# KiCad board msf-owl-clock.kicad_pcb (continued)
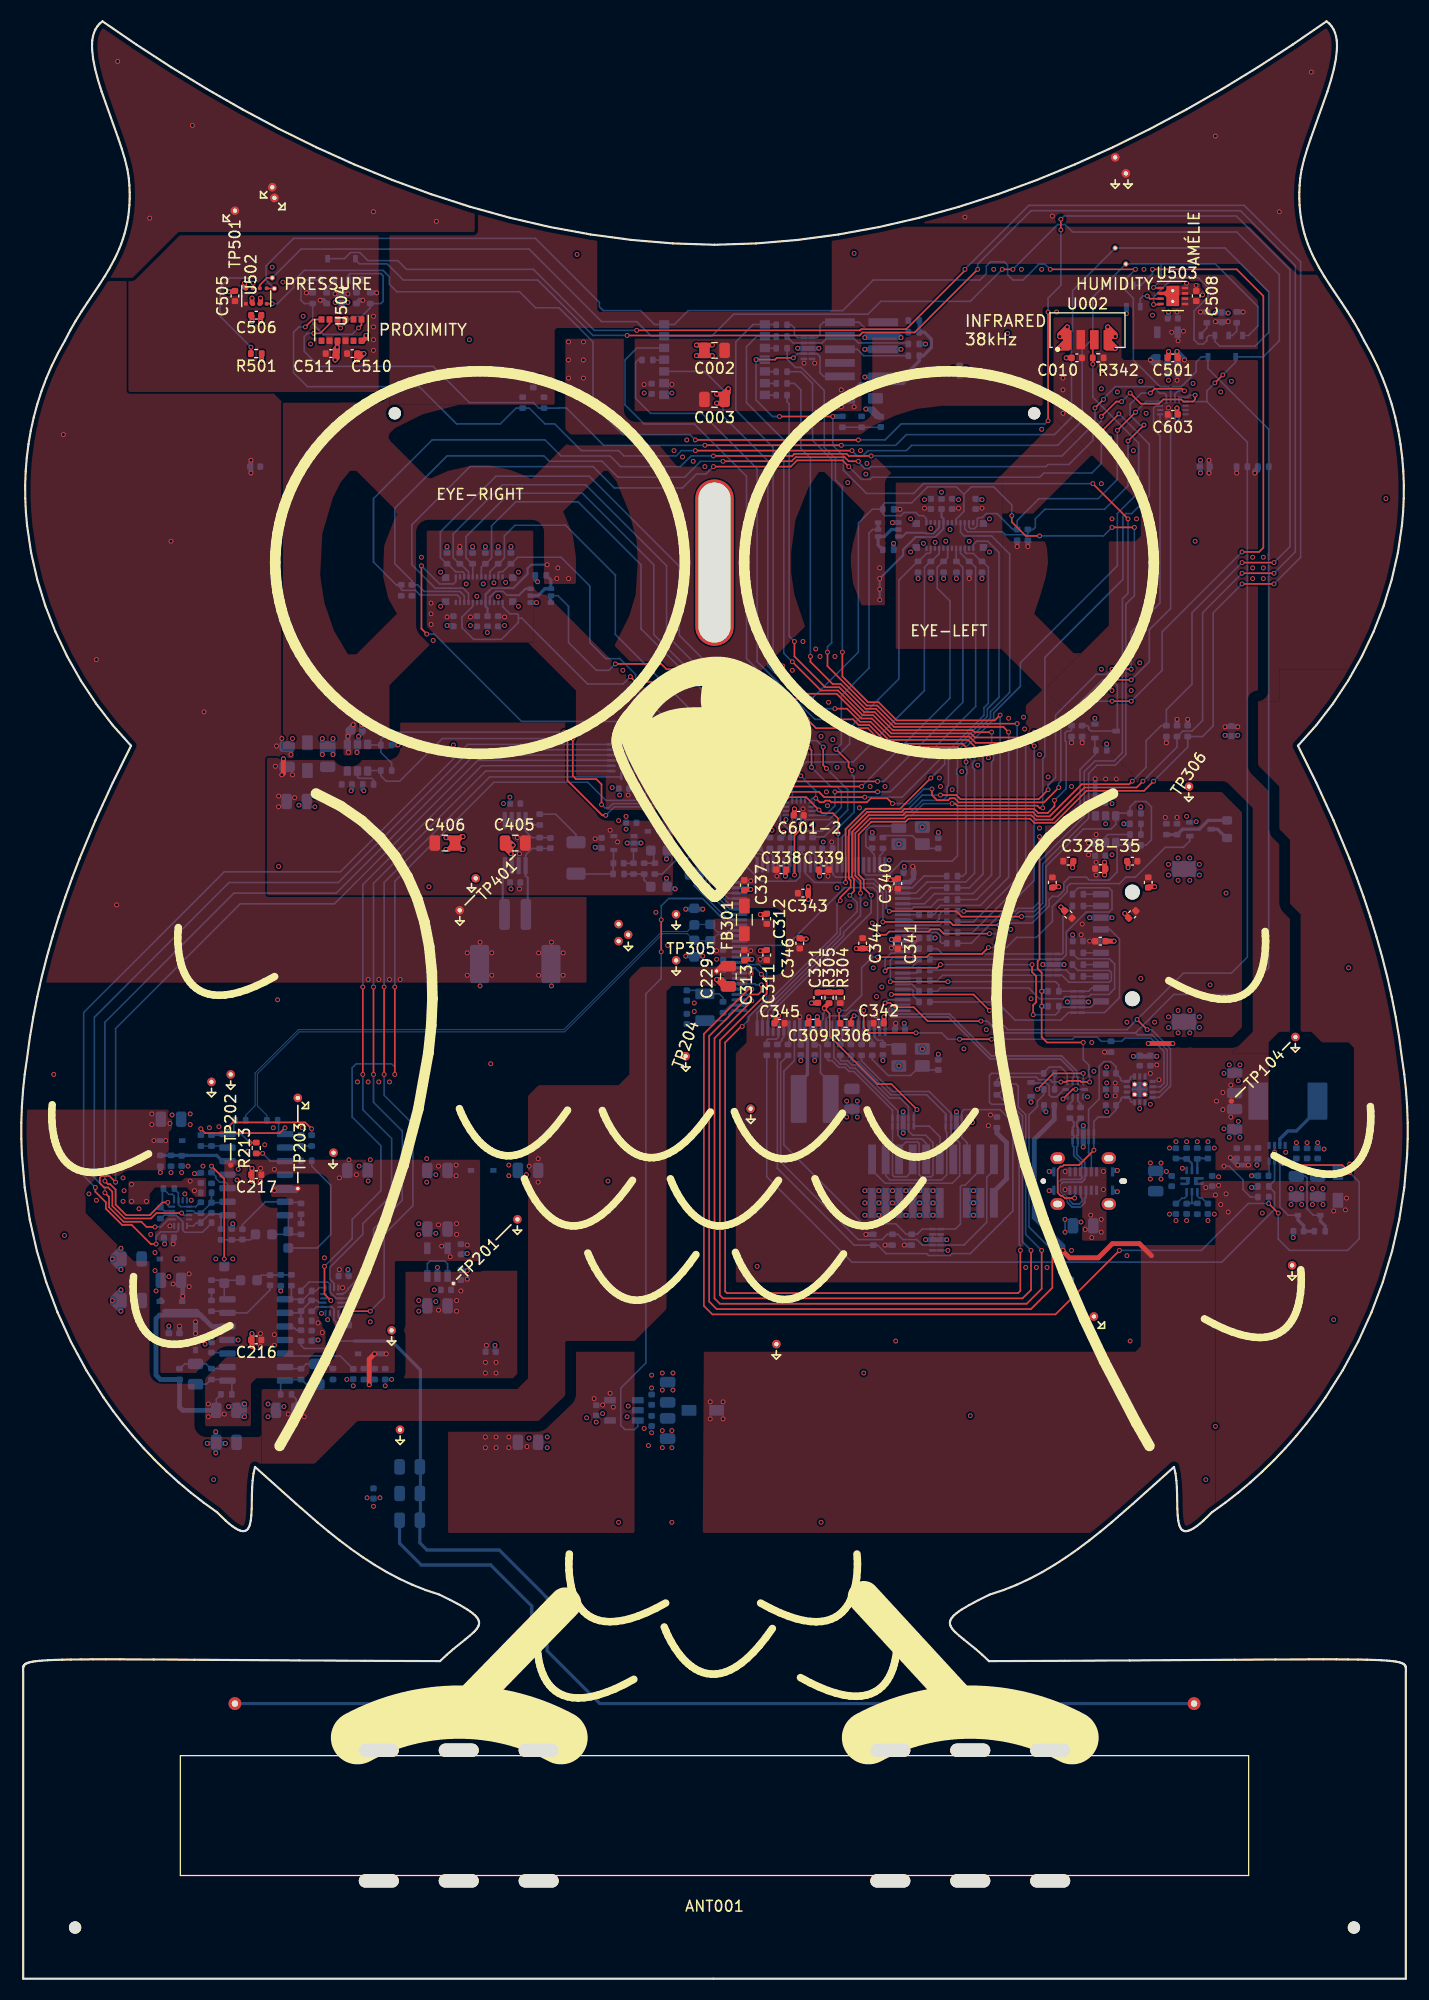
[diagram p0: board, top side]
## Nets (continued)
Net-(L101-P1): L101.1 U104.7
Net-(LED001-A): LED001.2 R016.1 R017.1
Net-(Q101-G): Q101.1 U102.10
Net-(Q301-G): Q301.1 R306.2
Net-(Q501-G): Q501.1 R503.2
Net-(Q502-G): Q502.1 R504.2
Net-(Q503-G): Q503.1 U503.3
Net-(Q504-G): Q504.1 R510.2
Net-(Q504-S): Q504.2 R512.2 U504.4
Net-(Q505-G): Q505.1 R511.2
Net-(Q505-S): Q505.2 R513.2 U504.1
Net-(Q601-D): Q601.3 R601.2 U601.13 U602.13 U603.13
Net-(Q602A-E): Q602.2 Q602.4 R619.1
Net-(Q603A-E): Q603.2 Q603.4 R620.1
Net-(R213-Pad2): R213.2 R216.2 R218.2 R219.1 U204.14
Net-(R214-Pad1): R214.1 R215.2 R217.2 U204.1
Net-(R233-Pad2): R233.2 R234.1
Net-(R243-Pad2): R243.2 R244.1
Net-(R345-Pad2): R345.2 R346.1
Net-(U001-P012): R010.2 U001.7
Net-(U001-P014): R011.1 U001.11
Net-(U001-P016): R009.2 U001.6
Net-(U001-P018): R008.2 U001.5
Net-(U001-P020): R007.2 U001.3
Net-(U101-DV/DT): C107.1 U101.10
Net-(U101-EN): C104.1 R101.2 U101.9
Net-(U101-GATE): C108.1 U101.8
Net-(U101-ILIMIT): C106.1 R103.1 U101.4
Net-(U101-MODE): C105.1 R102.1 U101.5
Net-(U102-DM_CON): R108.2 U102.8
Net-(U102-DP_CON): R107.2 U102.7
Net-(U104-FB): C127.2 R112.2 R113.1 U104.5
Net-(U104-SS_TR): C122.1 U104.4
Net-(U201-OUT): C205.1 C206.1 C207.1 C208.1 C209.1 C210.1 TP201.1 U201.5 U202.1 U202.3
Net-(U203A-+): R225.2 TP207.1 U203.3
Net-(U203B--): C225.1 R209.1 R210.1 U203.6
Net-(U203C--): C219.1 R203.1 R204.1 U203.9
Net-(U203D--): C237.2 R234.2 U203.13
Net-(U204A-+): R212.2 R213.1 U204.3
Net-(U204A--): R215.1 R216.1 U204.2
Net-(U204B--): C242.2 R244.2 U204.6
Net-(U204C-+): C238.1 R235.1 TP208.1 U204.10
Net-(U204D--): R217.1 R218.1 U204.13
Net-(U301-PA02): TP301.1 U301.7
Net-(U301-PA08): R335.2 U301.26
Net-(U301-PA09): R336.2 U301.27
Net-(U301-PA10): R337.2 U301.28
Net-(U301-PA11): R338.2 U301.29
Net-(U301-PA16): R334.1 U301.52
Net-(U301-PA18): R333.1 U301.54
Net-(U301-PA20): R321.1 U301.70
Net-(U301-PA21): R320.1 U301.71
Net-(U301-PA31): R313.1 U301.94
Net-(U301-PB10): R339.2 U301.32
Net-(U301-PB14): R340.2 U301.36
Net-(U301-PB15): R341.2 U301.37
Net-(U301-PB18): R325.1 U301.66
Net-(U301-PB19): R324.1 U301.67
Net-(U301-PB20): R323.1 U301.68
Net-(U301-PB21): R322.1 U301.69
Net-(U301-PB25): R306.1 U301.81
Net-(U301-PB30): R312.1 U301.95
Net-(U301-PB31): R311.2 U301.96
Net-(U301-PC16): R332.1 U301.56
Net-(U301-PC17): R331.1 U301.57
Net-(U301-PC19): R330.1 U301.59
Net-(U301-PC20): R329.1 U301.60
Net-(U301-PC21): R328.1 U301.61
Net-(U301-PC24): R317.1 U301.82
Net-(U301-PC25): R316.1 U301.83
Net-(U301-PC26): R315.1 U301.84
Net-(U301-PC28): R314.1 U301.86
Net-(U302-ILIMIT): R345.1 U302.5
Net-(U401-ILIMIT): R403.1 U401.5
Net-(U402A--): C411.1 R406.2 U402.3
Net-(U403A--): C415.1 R408.2 R409.1 U403.4
Net-(U502-CSB): R501.2 U502.2

Pads without a net: CONN001 A8 B8; CONN003 8; CONN004 8; CONN005 14 18; CONN006 14 18; U202 4; U205 9; U206 12; U207 12; U301 3 14 47 80; U501 4; U504 2 3 7 11

## Via types
v1: diameter 0.45, hole 0.3, Top to Bottom, 1115 vias

## Routing (per net, layer and track width the routed paths; a pad name or vN(x,y) marks a point on that pad's centre or on a via; arc(x,y) is an arc through that point)
GND: length 217.6
  Top w0.305: 108.29,158.05 U503.9 107.59,158.3 107.34,158.05 ; U503.2 107.34,158.05 ; 107.34,158.05 107.34,158 U503.9
  Top w0.45: C341.2 82.16,97.45 v1(81.64,97.45) ; v1(21.64,59.3) 21.64,59.82 C216.2 21.64,59.98 v1(21.64,60.5) ; v1(74.89,103.4) 74.89,103.92 C339.2 ; v1(69.34,99.8) 69.86,99.8 C312.2 ; v1(21.64,155.4) 21.64,155.92 C506.2 ; v1(73.64,97.5) 73.12,97.5 C346.2 ; v1(71.04,90.3) 70.84,90.1 70.84,89.78 C345.2 ; C321.2 74.72,91.5 v1(74.14,91.5) ; C406.2 40.09,105.9 v1(39.84,105.9) ; C406.2 41.29,107.1 v1(41.44,107.1) ; C406.2 41.29,105.9 v1(41.44,105.9) ; C406.2 40.19,107 v1(39.84,107) ; U002.1 98.14,153.7 v1(98.14,154.9) 97.44,154.2 v1(97.44,154) 97.84,154 U002.1 ; U002.1 97.44,153 v1(97.44,152.9) 98.24,152.9 ; C501.2 107.64,152.08 v1(107.64,152.6) ; v1(72.54,109.7) 72.54,109.18 C602.2 ; C338.2 71.69,103.92 v1(71.69,103.4) ; 101.84,152.9 v1(102.64,152.9) 102.64,153 U002.4 ; U502.1 20.94,158.65 v1(20.94,159) ; v1(73.84,101.2) v1(73.84,102.4) ; v1(80.94,90.2) 80.94,89.62 C342.2 ; v1(65.24,148.6) 65.84,148.6 v1(66.34,149.1) 66.34,148.7 ; v1(65.24,147.75) 65.64,147.75 C003.2 ; v1(68.44,102.15) 67.92,102.15 C337.2 ; C331.2 96.82,102.4 v1(97.34,102.4) ; v1(63.34,152.2) v1(64.84,152.2) ; C601.2 68.14,109.17 v1(68.14,109.69) ; C603.2 108.44,146.78 v1(108.44,147.3) ; U002.4 102.25,154 v1(102.64,154) 102.64,154.2 v1(101.94,154.9) 101.94,153.7 U002.4 ; v1(21.64,157.6) 21.64,157.15 U502.7 ; v1(98.64,104.2) 98.64,104.72 C328.2 ; v1(21.64,76) v1(21.64,74.8) ; v1(103.54,99.9) 103.91,99.54 C334.2 ; U504.12 32.04,153.6 32.34,153.9 v1(32.34,154.1) ; v1(29.64,153) 29.64,153.57 U504.9 ; v1(29.64,153) 29.64,152.52 C511.2 29.44,152.32 v1(29.44,151.8) ; v1(29.64,153) 29.64,152 v1(29.44,151.8) ; v1(29.64,153) 29.44,152.8 v1(29.44,151.8) ; v1(78.34,96.6) v1(79.54,96.6) ; C229.2 65.69,93.7 v1(65.24,93.7) 65.94,93 ; v1(73.89,90.2) 73.89,89.68 C309.2 ; v1(106.34,102.4) 105.82,102.4 C332.2 ; v1(81.54,103.05) 82.11,103.05 C340.2 ; C313.2 67.92,95.6 v1(68.54,95.6) ; v1(97.54,100.5) C333.2 ; v1(98.04,152) C010.2 ; v1(101.64,103.5) v1(101.64,104.7) ; v1(69.34,96.4) 69.86,96.4 C311.2 ; C505.2 19.96,158.2 v1(19.44,158.2) ; v1(63.34,153.2) v1(64.84,153.2) ; C329.2 103.84,104.72 v1(103.84,104.2) ; v1(102.54,97.3) C335.2 ; v1(46.14,106.3) 45.94,106.5 C405.2 45.39,106.05 v1(45.94,105.5) 45.94,106.1 v1(46.14,106.3) ; v1(31.44,151.8) 31.44,152.32 C510.2 v1(32.14,152.4) 31.54,151.8 v1(31.44,151.8)
  Bottom w0.152: U205.17 56.79,114.25 U205.13 ; D004.8 D004.7 D004.4 D004.3 ; v1(86.94,68.3) D004.10 D004.1
  Bottom w0.305: U301.76 81.04,90.1 v1(80.94,90.2) ; U301.62 81.79,97.3 v1(81.64,97.45)
  Bottom w0.45: v1(79.14,72.75) v1(85.54,72.75) 86.16,72.75 CONN004.9 ; v1(79.84,107.5) C315.2 ; v1(8.54,63.6) 8.54,63.4 v1(9.34,62.6) v1(9.34,64.6) 8.54,63.8 v1(8.54,63.6) ; v1(8.54,63.6) C222.2 ; C234.2 27.32,59.9 v1(27.84,59.9) ; v1(107.64,156.3) 107.64,155.78 C503.2 ; v1(85.74,97.6) C306.2 ; C206.2 44.44,58.88 v1(44.44,59.4) ; C305.2 82.84,103.78 v1(82.84,104.3) ; v1(103.44,108.3) R346.2 ; v1(53.84,106.1) 54.36,106.1 C416.2 ; R604.2 v1(45.94,134.3) ; 20.34,53.3 C220.2 ; 20.34,53.3 v1(20.94,52.7) ; 20.34,53.3 v1(20.94,53.9) ; C220.2 20.79,52.7 v1(20.94,52.7) ; C220.2 20.79,53.9 v1(20.94,53.9) ; C220.2 19.84,53.65 v1(19.44,53.65) 20.39,53.65 20.84,53.2 ; v1(60.54,105) 60.54,105.72 C409.1 60.82,106 v1(61.34,106) ; R343.2 105.04,109.31 v1(105.04,109.9) ; v1(8.54,67.5) 8.54,67.3 v1(9.34,66.5) v1(9.34,68.5) 8.54,67.7 v1(8.54,67.5) ; v1(8.54,67.5) C221.2 ; v1(48.35,129.05) Q603.1 ; v1(20.94,52.7) v1(20.94,53.9) ; R403.2 32.03,111.51 v1(32.14,111.4) ; v1(31.64,116.5) 31.94,116.8 v1(31.94,117.6) 31.94,117.08 C401.2 32.02,116.88 v1(31.64,116.5) ; v1(31.64,116.5) 31.64,115.85 U401.2 31.49,115.7 v1(31.49,115) ; v1(65.24,93.7) 65.76,93.7 C322.2 ; v1(35.34,115.7) R401.2 ; v1(29.24,116.3) v1(29.24,114.8) ; v1(41.84,66.4) 41.32,66.4 C209.2 ; v1(99.64,80) v1(99.64,78) ; CONN004.9 86.18,71.6 v1(85.54,71.6) v1(79.14,71.6) ; CONN004.9 86.18,73.9 v1(85.54,73.9) v1(79.14,73.9) ; v1(13.44,68.9) 13.44,69.42 C244.2 ; v1(43.54,134.3) R608.2 ; v1(112.04,156.2) v1(113.24,156.2) ; v1(86.04,107.5) C316.2 ; v1(80.84,86.1) C317.2 ; v1(81.84,134.6) 81.84,134.01 R619.2 ; v1(60.54,103.2) 60.54,102.47 C410.1 60.82,102.2 v1(61.34,102.2) ; v1(79.24,147.2) 79.92,147.2 C011.2 80.26,146.48 79.54,147.2 ; v1(47.44,150.2) v1(48.64,150.2) ; v1(102.84,73.8) 102.54,73.8 ; v1(95.84,95.1) v1(97.84,95.1) ; v1(87.74,81.3) v1(87.74,79.3) ; CONN004.5 88.72,71.6 v1(89.34,71.6) 89.99,71.6 CONN004.3 ; CONN004.5 CONN004.3 ; CONN004.5 88.72,73.9 v1(89.34,73.9) 89.99,73.9 CONN004.3 ; C336.2 98.66,97.88 v1(98.64,97.9) ; C307.2 82.84,89.08 v1(82.84,89.6) ; v1(85.34,131.3) R613.2 ; v1(42.34,134.3) R602.2 ; 71.2,106.95 71.54,107.29 v1(71.54,107.5) ; v1(100.74,118.2) Q601.2 ; v1(74.44,86.1) C310.2 ; v1(84.84,153.3) R006.2 ; R223.2 v1(60.44,115.6) ; v1(48.44,131) 48.23,131.21 R620.2 ; v1(13.84,61.2) R202.2 ; v1(115.44,75.3) C122.2 ; v1(101.84,115.8) 101.84,115.21 R310.2 ; v1(24.34,64.5) R232.2 ; v1(79.14,150.2) v1(82.54,150.2) ; v1(72.84,152.9) v1(74.84,152.9) ; v1(63.94,100.3) v1(62.34,100.3) ; 102.48,75.79 102.49,75.8 v1(102.84,75.8) ; C402.2 31.02,111.48 v1(30.94,111.4) ; v1(103.69,156.15) Q503.2 ; C239.2 16.76,75.5 v1(16.24,75.5) ; v1(28.24,114.8) v1(28.24,116.3) ; R222.2 v1(60.44,114.5) ; v1(56.84,106.5) v1(58.14,106.5) ; v1(96.44,73.9) 96.74,73.9 ; v1(96.14,81.3) 95.96,81.48 C110.2 ; v1(98.14,91.6) v1(100.14,91.6) ; R113.2 115.94,76.79 v1(115.94,76.3) ; C243.2 30.64,65.98 v1(30.64,66.5) ; C211.2 41.32,68 v1(41.84,68) ; v1(84.84,69.3) v1(86.84,69.3) ; v1(14.54,67.5) D203.2 ; v1(39.94,126.9) 40.46,126.9 C009.2 ; v1(100.24,99.5) v1(102.34,99.5) ; Q101.2 v1(94.74,82.2) ; v1(119.34,69.5) 119.34,70.08 C121.2 ; v1(84.14,131.3) R605.2 ; v1(86.54,131.3) R609.2 ; v1(86.04,86.7) C318.2 ; R242.2 19.84,70.41 v1(19.84,70.8) ; v1(90.14,138.7) 89.62,138.7 C004.2 ; v1(87.74,131.3) R603.2 ; v1(44.74,134.3) R612.2 ; v1(39.94,134.3) R606.2 ; v1(17.44,50.2) v1(19.14,50.2) ; v1(82.74,81.3) v1(82.74,79.3) ; v1(90.14,131.3) R607.2 ; v1(63.94,95.9) v1(62.34,95.9) ; v1(110.64,142.4) v1(110.64,141.2) ; R111.2 115.93,74.2 v1(115.44,74.2) ; v1(21.54,142.4) v1(21.54,141.2) ; v1(79.14,152.8) v1(82.54,152.8) ; R224.2 v1(60.44,113.4) ; v1(18.24,49.3) v1(18.24,51.3) ; v1(104.34,86.5) v1(106.54,86.5) ; v1(29.44,157.2) v1(30.64,157.2) ; v1(96.44,75.7) 96.74,75.7 ; v1(73.14,86.1) C301.2 ; v1(112.94,116.6) v1(114.14,116.6) ; 88.32,151 C348.2 87.76,151 v1(87.44,151) v1(88.64,151) 88.32,151 ; v1(81.74,136.54) 81.74,136.55 Q602.1 82.29,136.54 v1(81.74,136.54) ; v1(82.54,153.9) v1(79.14,153.9) 79.31,154.07 CONN003.3 82.37,154.07 v1(82.54,153.9)
  vias: v1(3.04,84.8) v1(3.94,144.8) v1(4.04,69.7) v1(6.34,73.6) v1(7.04,123.7) v1(7.04,73) v1(8.94,100.7) v1(9.04,179.8) v1(9.54,75.1) v1(9.54,72.9) v1(9.64,73.9) v1(11.04,72.2) v1(12.04,165.1) v1(12.14,69.8) v1(12.54,68.1) v1(12.54,66.4) v1(12.64,64.5) v1(13.84,65.85) v1(14.04,134.8) v1(14.04,75.6) v1(14.14,81) v1(15.04,75.6) v1(15.34,73.6) v1(15.64,76.2) v1(15.84,81.1) v1(15.84,80.1) v1(15.94,73) v1(16.04,173.8) v1(17.04,76.2) v1(17.14,118.8) v1(17.24,59.5) v1(17.64,79.8) v1(17.94,60.2) v1(18.04,46.8) v1(18.24,67.5) v1(18.54,79.9) v1(19.84,67.5) v1(20.24,74.9) v1(20.34,75.9) v1(20.34,59.9) v1(21.24,77.6) v1(22.84,78.2) v1(23.14,53.9) v1(23.14,52.7) v1(23.54,160.5) v1(23.64,79.8) v1(23.94,115.6) v1(24.04,91.8) v1(24.14,104.3) v1(24.44,116.3) v1(24.54,159.1) v1(24.64,53.65) v1(25.29,114.8) v1(25.44,116.3) v1(26.04,110.05) v1(26.34,79.8) v1(26.44,155.9) v1(27.14,153.3) v1(27.54,110.9) v1(27.54,109.9) v1(28.16,62.4) v1(28.44,67.6) v1(28.74,61.8) v1(30.54,56.2) v1(31.14,55.6) v1(31.54,84.1) v1(31.69,76.2) v1(32.44,45.1) v1(32.54,93.7) v1(32.54,84.1) v1(32.54,74.8) v1(32.74,76.8) v1(32.74,61.6) v1(33.04,165.7) v1(33.04,44.3) v1(33.54,93.7) v1(33.54,84.1) v1(33.64,45.1) v1(34.14,55.6) v1(34.54,93.7) v1(34.54,84.1) v1(34.74,56.2) v1(35.54,93.7) v1(37.29,70.8) v1(37.29,69.8) v1(37.29,63.6) v1(37.29,62.6) v1(37.54,133.3) v1(38.04,76.9) v1(38.04,74.7) v1(38.24,102.4) v1(38.64,125.5) v1(38.74,64.6) v1(38.89,75.4) v1(38.89,69.9) v1(38.89,63.5) v1(38.94,164.8) v1(39.04,66.7) v1(39.34,131.9) v1(39.34,128.7) v1(40.54,115.7) v1(41.74,130.8) v1(41.84,96.2) v1(41.84,94.1) v1(42.04,153.7) v1(42.14,126.9) v1(42.74,129.64) v1(43.04,97.2) v1(43.04,93.1) v1(43.34,130.8) v1(43.72,126.24) v1(44.04,85.8) v1(44.14,96.2) v1(44.14,94.1) v1(44.34,130.9) v1(44.74,129.6) v1(45.24,110.2) v1(45.34,126.9) v1(45.44,130.94) v1(45.74,76.3) v1(45.74,75.3) v1(45.84,110.8) v1(45.94,102.2) v1(46.64,131.9) v1(46.64,128.7) v1(47.39,75.4) v1(47.64,50.7) v1(48.54,96.2) v1(48.54,94.1) v1(49.34,50.8) v1(49.34,49.8) v1(49.74,97.2) v1(49.74,93.1) v1(50.84,96.2) v1(50.84,94.1) v1(51.74,117.1) v1(52.14,161.7) v1(53.04,52.6) v1(53.94,52.2) v1(54.54,53) v1(55.04,74.8) v1(55.44,111.7) v1(55.84,116.3) v1(56.04,108.6) v1(56.04,42.8) v1(56.14,111) v1(56.34,115.2) v1(56.44,122.7) v1(56.74,113.8) v1(56.74,109) v1(56.74,107.8) v1(56.84,52.7) v1(56.94,53.7) v1(58.44,148.7) v1(58.44,51.6) v1(58.84,50) v1(59.14,56.6) v1(59.14,55.4) v1(59.14,51.2) v1(59.54,100) v1(60.14,56.8) v1(60.14,55.2) v1(60.14,51.4) v1(60.14,49.8) v1(60.64,96.9) v1(61.04,148.7) v1(61.04,51.4) v1(61.04,49.8) v1(61.04,42.8) v1(61.14,56.8) v1(61.14,55.2) v1(61.24,143.3) v1(62.04,142.7) v1(62.44,144.3) v1(63.04,142.3) v1(63.14,91.5) v1(63.14,90.7) v1(64.14,141.8) v1(65.14,117.4) v1(65.24,95.6) v1(66.44,104.3) v1(66.64,109.5) v1(66.64,107.9) v1(66.94,123.3) v1(67.24,112.9) v1(67.24,111.3) v1(67.44,117) v1(67.44,115.6) v1(69.04,66.8) v1(69.94,117.1) v1(70.04,112.8) v1(70.44,107.7) v1(70.54,123.3) v1(70.54,111.1) v1(71.14,114.2) v1(71.74,108.7) v1(72.34,122.7) v1(73.14,114.3) v1(73.34,125.4) v1(74.14,108.2) v1(74.54,124.7) v1(74.94,124) v1(75.04,116.5) v1(75.04,42.8) v1(75.24,106.6) v1(75.44,118.6) v1(75.54,111.3) v1(75.64,110) v1(75.74,119.7) v1(76.14,116.2) v1(76.34,124) v1(76.54,113.6) v1(76.54,102.3) v1(77.44,82.3) v1(77.44,80.8) v1(77.54,140.3) v1(77.74,100.6) v1(78.14,161.8) v1(78.44,82.3) v1(78.44,80.8) v1(78.64,109.8) v1(78.74,143.3) v1(78.84,113.6) v1(79.04,56.8) v1(79.24,141.1) v1(79.24,100.8) v1(79.34,142.1) v1(79.64,111.8) v1(79.84,99) v1(79.94,94.8) v1(80.24,92.1) v1(80.46,73.9) v1(80.46,72.75) v1(80.46,71.6) v1(80.74,93) v1(81.04,111.8) v1(81.44,104.9) v1(81.74,73.9) v1(81.74,72.75) v1(81.74,71.6) v1(82.04,59.8) v1(82.34,106.4) v1(82.34,85.6) v1(83,73.9) v1(83,72.75) v1(83,71.6) v1(83.44,136.9) v1(83.44,133.8) v1(84.28,73.9) v1(84.28,72.75) v1(84.28,71.6) v1(84.54,108) v1(84.54,87.2) v1(84.64,134.6) v1(84.74,138.7) v1(85.34,136) v1(85.74,134.7) v1(86.14,112.6) v1(86.24,111.8) v1(86.34,139.4) v1(86.74,134.8) v1(87.14,135.9) v1(87.34,111.5) v1(87.94,138.7) v1(88.24,113.2) v1(88.44,87.2) v1(88.54,165.2) v1(88.94,134.8) v1(89.04,52.8) v1(89.24,80.3) v1(89.34,72.75) v1(89.74,113.8) v1(90.54,89) v1(90.74,114.5) v1(90.84,136.9) v1(90.84,133.8) v1(91.24,160.3) v1(91.64,97.2) v1(91.74,90.5) v1(92.54,154.3) v1(92.64,118.2) v1(92.84,98.4) v1(93.84,160.3) v1(94.04,118.3) v1(94.14,117.2) v1(94.24,66.7) v1(94.74,91.9) v1(95.04,116.9) v1(95.24,66.7) v1(95.54,114.8) v1(95.54,107.9) v1(95.74,160.3) v1(95.74,145.3) v1(96.24,66.7) v1(96.34,112.7) v1(96.74,165.3) v1(97.14,156.3) v1(97.94,71.2) v1(97.94,70) v1(98.54,111.8) v1(98.54,68.3) v1(98.54,65.6) v1(99.44,70.95) v1(100.04,82.7) v1(100.44,87.8) v1(100.64,85.1) v1(101.34,150.8) v1(101.34,149.1) v1(101.34,140.2) v1(101.34,122.8) v1(101.64,110.9) v1(101.74,108.3) v1(101.84,85.5) v1(101.84,84) v1(101.84,82.8) v1(101.84,81.3) v1(102.14,144.5) v1(102.34,136.9) v1(102.34,120.8) v1(102.34,110.2) v1(102.34,105.4) v1(102.84,148.8) v1(103.74,89.7) v1(103.74,67.8) v1(104.04,59.8) v1(104.14,120.8) v1(104.34,143.3) v1(104.64,136.9) v1(104.94,123.4) v1(104.94,81.6) v1(105.04,149.8) v1(105.04,93.8) v1(105.34,160.3) v1(105.54,146.8) v1(105.94,82) v1(105.94,76.5) v1(105.94,75) v1(106.14,156) v1(106.34,89.7) v1(106.94,76.5) v1(106.94,75) v1(107.44,75.7) v1(107.64,149.9) v1(107.64,104.5) v1(107.64,103.5) v1(107.64,90.2) v1(107.64,89.2) v1(107.74,77.9) v1(107.74,71.7) v1(108.34,78.5) v1(108.34,71.1) v1(108.54,105.1) v1(108.54,103) v1(108.54,90.8) v1(108.54,88.7) v1(108.94,76) v1(109.34,159) v1(109.34,109) v1(109.34,78.5) v1(109.34,71.1) v1(109.64,105.1) v1(109.64,103) v1(109.64,90.8) v1(109.64,88.7) v1(109.94,149.6) v1(110.14,134.8) v1(110.24,158.8) v1(110.24,108.5) v1(110.34,78.5) v1(110.54,104.5) v1(110.54,103.5) v1(110.54,90.2) v1(110.54,89.2) v1(110.84,157.9) v1(111.14,46.8) v1(111.34,78.5) v1(111.34,71.1) v1(111.54,93.2) v1(111.94,77.9) v1(111.94,71.7) v1(112.04,172.8) v1(112.04,51.8) v1(112.34,75.2) v1(112.54,148.8) v1(112.84,84.9) v1(112.84,79.7) v1(113.04,101.8) v1(113.34,85.7) v1(113.34,78.9) v1(113.54,149.8) v1(114.19,84.2) v1(114.19,80.4) v1(114.34,85.7) v1(114.34,78.9) v1(115.54,133.3) v1(115.54,132.3) v1(115.54,131.3) v1(116.44,71.8) v1(116.54,133.3) v1(116.54,132.3) v1(116.54,131.3) v1(118.04,165.7) v1(118.64,77.5) v1(119.14,74.1) v1(119.14,72.6) v1(119.64,78.4) v1(120.14,74.1) v1(120.14,72.6) v1(120.64,78.4) v1(121.04,178.8) v1(121.14,74.1) v1(121.14,72.6) v1(121.64,78.4) v1(122.14,74.1) v1(122.14,72.6) v1(122.24,77.8) v1(123.14,61.8) v1(124.54,94.8) v1(124.64,76.4) v1(128.04,138.8)
/1-usb-and-power/CC1: length 16.8
  Top w0.152: v1(100.64,77.7) 99.24,76.3 97.82,76.3 97.69,76.17 97.52,76.17 97.24,75.9 97.24,73.71 97.53,73.42 97.69,73.42 97.91,73.2 v1(98.84,73.2)
  Bottom w0.152: U103.11 103.29,82.65 103.19,82.55 103.19,82.37 C114.1 102.72,81.48 102.04,80.8 101.04,80.8 100.64,80.4 v1(100.64,77.7) ; CONN001.A5 98.84,73.87 v1(98.84,73.2) ; U103.10 104.17,82.18 104.08,82.28 104.08,82.44 103.86,82.66
/1-usb-and-power/CC2: length 15.4
  Bottom w0.128: U103.14 103.86,84.15
  Bottom w0.152: CONN001.B5 100.39,77.21 100.14,77.46 100.14,81.5 101.14,82.5 101.14,85.55 101.59,86 102.24,86 102.72,85.52 C115.1 103.14,84.48 103.14,84.3 103.29,84.15 U103.14 ; 103.86,84.15 104.08,84.36 104.08,84.53 104.16,84.61 U103.1
/1-usb-and-power/CORE_VDD_MODE: length 69.4
  Bottom w0.152: R311.1 69.94,75.2 77.94,67.2 112.64,67.2 117.59,72.15 117.59,73.75 117.05,74.29 R111.1 117.05,74.31 117.59,74.85 U104.3
/1-usb-and-power/CORE_VDD_{+5V}: length 53.2
  Top w0.152: v1(97.74,82.5) 98.64,83.4 v1(98.94,83.4)
  Top w0.45: 106.04,67.8 104.92,68.92 102.37,68.92 101.04,67.6 98.36,67.6 97.74,68.21 v1(97.74,68.3)
  Bottom w0.152: v1(98.94,83.4) U102.5 ; 45.34,130.4 44.15,130.4 43.99,130.25 ; 85.9,135.34 85.76,135.2 84.74,135.2
  Bottom w0.2: C604.1 86.34,137.1 86.52,136.92 CONN005.5 86.52,135.96 85.9,135.34 ; 43.99,130.25 43.56,129.82 CONN006.5 43.56,128.7 43.74,128.52 43.74,127.8 ; 45.34,130.4 46.17,130.4 47.5,131.74 47.5,132.25 47.84,132.6 v1(49.34,132.6) ; 84.74,135.2 83.93,135.2 82.74,134.01 82.74,133.5 v1(80.54,131.3) v1(80.54,129.3)
  Bottom w0.45: v1(30.64,116.5) 30.64,117.1 v1(31.14,117.6) 31.14,117.08 C401.1 30.64,116.58 v1(30.64,116.5) ; v1(30.64,116.5) 30.64,115.8 U401.1 30.69,115.65 v1(30.69,115) ; v1(97.74,68.3) 97.74,68.7 95.04,71.4 95.04,78.7 96.92,80.58 C110.1
  vias: v1(50.24,131.3) v1(50.34,132.3) v1(51.34,131.3) v1(64.64,54.1) v1(64.64,52.5) v1(65.84,54.1) v1(65.84,52.5) v1(80.54,132.3) v1(80.54,130.3) v1(111.14,74.2) v1(112.04,73.5) v1(112.34,74.4) v1(112.54,72.6) v1(113.04,73.6) v1(113.24,71.9) v1(123.14,72) v1(124.24,72.1) v1(124.34,73.2)
/1-usb-and-power/D+: length 13.5
  Bottom w0.102: 98.43,72.9 98.34,72.99 98.34,73.09 97.89,73.54 97.76,73.54 97.49,73.81 97.49,74.45 97.64,74.6
  Bottom w0.128: 99.33,80.69 R107.1 ; 99.89,75.38 CONN001.B6
  Bottom w0.17: 99.39,80.64 R107.1 99.03,80.32 99.03,79.93 99.14,79.81 D002.2 99.14,79.16 99.03,79.04 99.03,78.88 99.14,78.77 D002.9 99.14,78.11 99.03,78 99.03,77.3 99.78,76.55 99.78,76.06 99.89,75.95 CONN001.B6 ; CONN001.A6 99.39,73.28 99.51,73.16 99.51,72.87 99.28,72.64 98.69,72.64 98.43,72.9 ; 99.89,75.38 99.78,75.26 99.78,74.96 99.51,74.68 97.72,74.68 97.64,74.6
/1-usb-and-power/D-: length 14.4
  Bottom w0.102: 97.44,74.8 97.28,74.65 97.28,73.73 97.67,73.34 97.8,73.34 98.14,73 98.14,72.81 98.24,72.71
  Bottom w0.128: 99.39,75.38 CONN001.B7 ; 98.45,80.69 R108.1
  Bottom w0.17: 98.24,72.71 98.58,72.37 99.39,72.37 99.78,72.76 99.78,73.16 99.89,73.28 CONN001.A7 ; 98.39,80.64 R108.1 98.76,80.32 98.76,79.93 98.64,79.81 D002.1 98.64,79.16 98.76,79.04 98.76,78.88 98.64,78.77 D002.10 98.64,78.11 98.76,78 98.76,77.19 99.51,76.44 99.51,76.06 99.39,75.95 CONN001.B7 ; 97.44,74.8 97.59,74.96 99.4,74.96 99.51,75.07 99.51,75.26 99.39,75.38
/1-usb-and-power/MCU.D+: length 22.1
  Bottom w0.17: 99.14,84.07 99.14,84.48 99.03,84.6 99.03,85.11 97.61,86.53 91.03,86.53 87.1,90.46 81.77,90.46 81.66,90.57 81.66,90.82 81.75,90.91 82.01,90.91 82.12,90.8 U301.75
/1-usb-and-power/MCU.D-: length 22.5
  Bottom w0.17: U301.74 82.12,91.3 82.01,91.18 81.64,91.18 81.39,90.93 81.39,90.46 81.66,90.19 86.99,90.19 90.92,86.26 97.5,86.26 98.76,85 98.76,84.6 98.64,84.48 98.64,84.07
/1-usb-and-power/SCL: length 224.4
  Top w0.152: v1(90.04,89.8) 85.04,89.8 83.74,91.1 81.94,91.1 81.54,91.5 v1(81.04,91.5) ; TP302.1 23.04,158.5 U502.4 ; v1(104.54,160.3) v1(96.54,160.3)
  Bottom w0.152: 107.84,149.1 108.04,149.3 108.84,149.3 110.24,150.7 110.24,151.6 110.74,152.1 Q501.3 111.34,151 117.04,145.3 117.04,94.8 114.54,92.3 108.14,92.3 104.54,88.69 104.15,88.69 ; 107.84,149.1 107.64,149.3 106.84,149.3 104.34,151.8 104.34,157.6 103.64,158.3 103.64,159.4 v1(104.54,160.3) ; 107.84,149.1 U603.2 ; v1(96.54,160.3) 96.06,160.78 95.48,160.78 93.99,159.3 93.04,159.3 92.54,159.8 92.54,160.7 92.24,161 90.94,161 90.54,160.6 90.54,159.9 89.94,159.3 79.94,159.3 77.07,156.42 62.57,156.42 61.27,155.13 U001.14 59.41,155.13 58.12,156.42 54.61,156.42 54.24,156.78 54.24,157.2 48.24,163.2 25.54,163.2 22.97,160.62 22.97,159.27 TP302.1 ; 104.15,88.69 104.55,88.69 104.73,88.52 106.1,88.52 107.53,87.08 107.53,83.85 106.83,83.15 U103.6 ; 104.15,88.69 91.75,88.69 90.64,89.8 v1(90.04,89.8) ; U301.73 81.34,91.8 v1(81.04,91.5)
/1-usb-and-power/SDA: length 227.5
  Top w0.152: v1(111.99,149.65) v1(112.74,150.4) ; U502.3 22.37,158.82 23.04,159.5 TP303.1 ; v1(104.69,89.95) v1(105.64,89) ; v1(93.04,160.3) v1(92.04,160.3) ; v1(90.84,90.8) 89.34,92.3 v1(81.64,92.3)
  Bottom w0.152: 111.24,147.9 U603.5 ; 111.24,147.9 111.24,148.9 v1(111.99,149.65) ; 111.24,147.9 115.04,144.1 115.04,95.8 113.54,94.3 109.04,94.3 103.74,89 92.57,89 90.84,90.72 v1(90.84,90.8) ; v1(93.04,160.3) 97.24,164.5 97.94,164.5 98.64,163.8 114.04,163.8 118.04,159.8 118.04,153.6 116.54,152.1 Q502.3 113.94,151.6 v1(112.74,150.4) ; TP303.1 26.24,162.2 47.64,162.2 54.44,155.4 57.74,155.4 59.11,154.03 U001.13 64.77,154.03 66.84,156.09 79.44,156.09 80.65,157.3 89.04,157.3 v1(92.04,160.3) ; v1(81.64,92.3) U301.72 ; U103.7 106.76,82.65 107.83,83.72 107.83,87.21 106.05,89 v1(105.64,89)
/1-usb-and-power/USBC_VBUS: length 2.3
  Top w0.45: v1(108.04,87.7) v1(105.74,87.7)
  vias: v1(97.94,75.7) v1(97.94,74) v1(99.84,70.25) v1(100.34,71.6) v1(100.44,69.5) v1(101.34,71.2) v1(101.34,70) v1(101.54,75.7) v1(101.54,74)
/1-usb-and-power/~{CHARGER_DETECTED}: length 85.4
  Top w0.152: v1(69.44,94.2) 69.94,93.7 69.94,92.39 65.54,88 65.54,64.1 65.84,63.8 93.94,63.8 94.74,64.6 v1(94.74,68.3)
  Bottom w0.152: v1(94.74,68.3) 93.94,69.1 93.94,80.9 92.44,82.4 92.14,82.4 91.65,82.89 R106.2 91.63,82.89 92.14,83.4 Q101.3 ; U301.9 68.84,94.8 v1(69.44,94.2)
/1-usb-and-power/~{CHARGING_ALLOWED}: length 94
  Top w0.152: v1(69.44,93.2) 69.44,92.6 69.14,92.3 68.44,92.3 64.54,88.4 64.54,63.5 65.24,62.8 94.74,62.8 96.74,64.8 v1(96.74,68.3) ; v1(95.34,83.4) 96.84,84.9 v1(99.64,84.9)
  Bottom w0.152: v1(95.34,83.4) R105.2 95.93,82.89 95.34,82.3 95.34,81.8 94.55,81.01 94.55,70.49 v1(96.74,68.3) ; U301.6 68.84,93.3 68.94,93.2 v1(69.44,93.2) ; 99.64,84.07 v1(99.64,84.9)
/1-usb-and-power/~{CORE_VDD_FAULT}: length 118.7
  Top w0.152: v1(68.54,92.8) 68.24,92.8 64.04,88.6 64.04,63.1 64.84,62.3 97.04,62.3 v1(103.04,68.3) ; v1(117.94,71.8) v1(117.04,72.7) ; v1(117.6,77.5) 117.6,77.04 118.34,76.3 123.94,76.3 v1(124.64,75.6)
  Bottom w0.152: v1(68.54,92.8) U301.5 ; R114.2 117.04,73.29 v1(117.04,72.7) 115.13,72.7 110.73,68.3 v1(103.04,68.3) ; v1(117.94,71.8) 117.94,69.36 119.01,68.3 124.44,68.3 125.54,69.4 125.54,74.7 v1(124.64,75.6) ; U104.6 117.59,77.5 v1(117.6,77.5)
/1-usb-and-power/~{HAS_DATA}: length 93.4
  Top w0.152: v1(67.64,89.3) 67.54,89.3 66.04,87.8 66.04,64.45 66.19,64.3 93.54,64.3 93.74,64.5 v1(93.74,68.3)
  Bottom w0.152: v1(93.74,68.3) 93.74,68.75 93.64,68.85 93.64,80.77 92.41,82 91.04,82 90.84,82.2 90.84,84.7 91.04,84.9 R104.2 ; R104.2 95.93,84.82 95.94,84.81 ; R104.2 95.93,84.96 96.47,85.5 97.52,85.5 98.14,84.87 98.14,84.07 ; U301.10 68.05,95.3 68.25,95.1 69.22,95.1 69.93,94.39 69.93,91.87 68.24,90.19 68.24,89.9 v1(67.64,89.3)
/1-usb-and-power/~{USB_PD_INT}: length 40
  Top w0.152: v1(88.04,88.1) v1(91.04,88.1) ; v1(79.04,90.8) 79.04,89.2 79.54,88.7 v1(83.94,88.7)
  Bottom w0.152: v1(88.04,88.1) 86.94,88.1 86.34,88.7 v1(83.94,88.7) ; v1(91.04,88.1) 98.64,88.1 98.84,88.3 100.94,88.3 101.33,87.91 R109.2 103.25,87.91 103.56,88.21 105.97,88.21 107.23,86.96 107.23,83.98 106.89,83.65 U103.5 ; v1(79.04,90.8) 77.86,90.8 77.36,90.3 75.83,90.3 75.54,90.02 U301.87
/1-usb-and-power/~{USB_SUSPEND}: length 136.8
  Top w0.152: v1(68.54,91.7) 65.04,88.2 65.04,63.8 65.54,63.3 94.34,63.3 95.74,64.7 v1(95.74,68.3) ; v1(95.54,107.1) 95.54,95.6 95.36,95.42 95.36,94.73 95.74,94.35 v1(95.74,92.6) v1(95.74,91.2) 95.74,88.3 96.24,87.8 v1(99.64,87.8) ; v1(97.54,84.09) 97.55,84.1 98.04,84.1 98.14,84.2 99.34,84.2 99.44,84.1 100.23,84.1 v1(100.24,84.09)
  Bottom w0.152: v1(100.24,84.09) 100.24,84.6 100.16,84.68 100.16,85.68 99.64,86.2 v1(99.64,87.8) ; U301.4 68.24,92.3 68.54,92 v1(68.54,91.7) ; v1(95.54,107.1) 97.24,107.1 99.34,109.2 99.34,113.4 100.74,114.8 100.74,115.11 R310.1 100.74,115.29 Q601.1 ; 96.95,84.09 v1(97.54,84.09) 96.75,84.09 96.54,84.3 95.49,84.3 95.24,84.55 91.8,84.55 91.54,84.3 R106.1 91.55,83.9 93.34,83.9 93.54,83.7 93.54,81.73 94.25,81.02 94.25,69.79 v1(95.74,68.3) ; 96.95,84.09 R104.1 96.95,84.82 96.94,84.81 ; 96.95,84.09 R105.1
  Bottom w0.45: R327.1 v1(95.74,91.2) ; v1(95.74,92.6) R326.1
